# Allegro board LAY-28163.brd
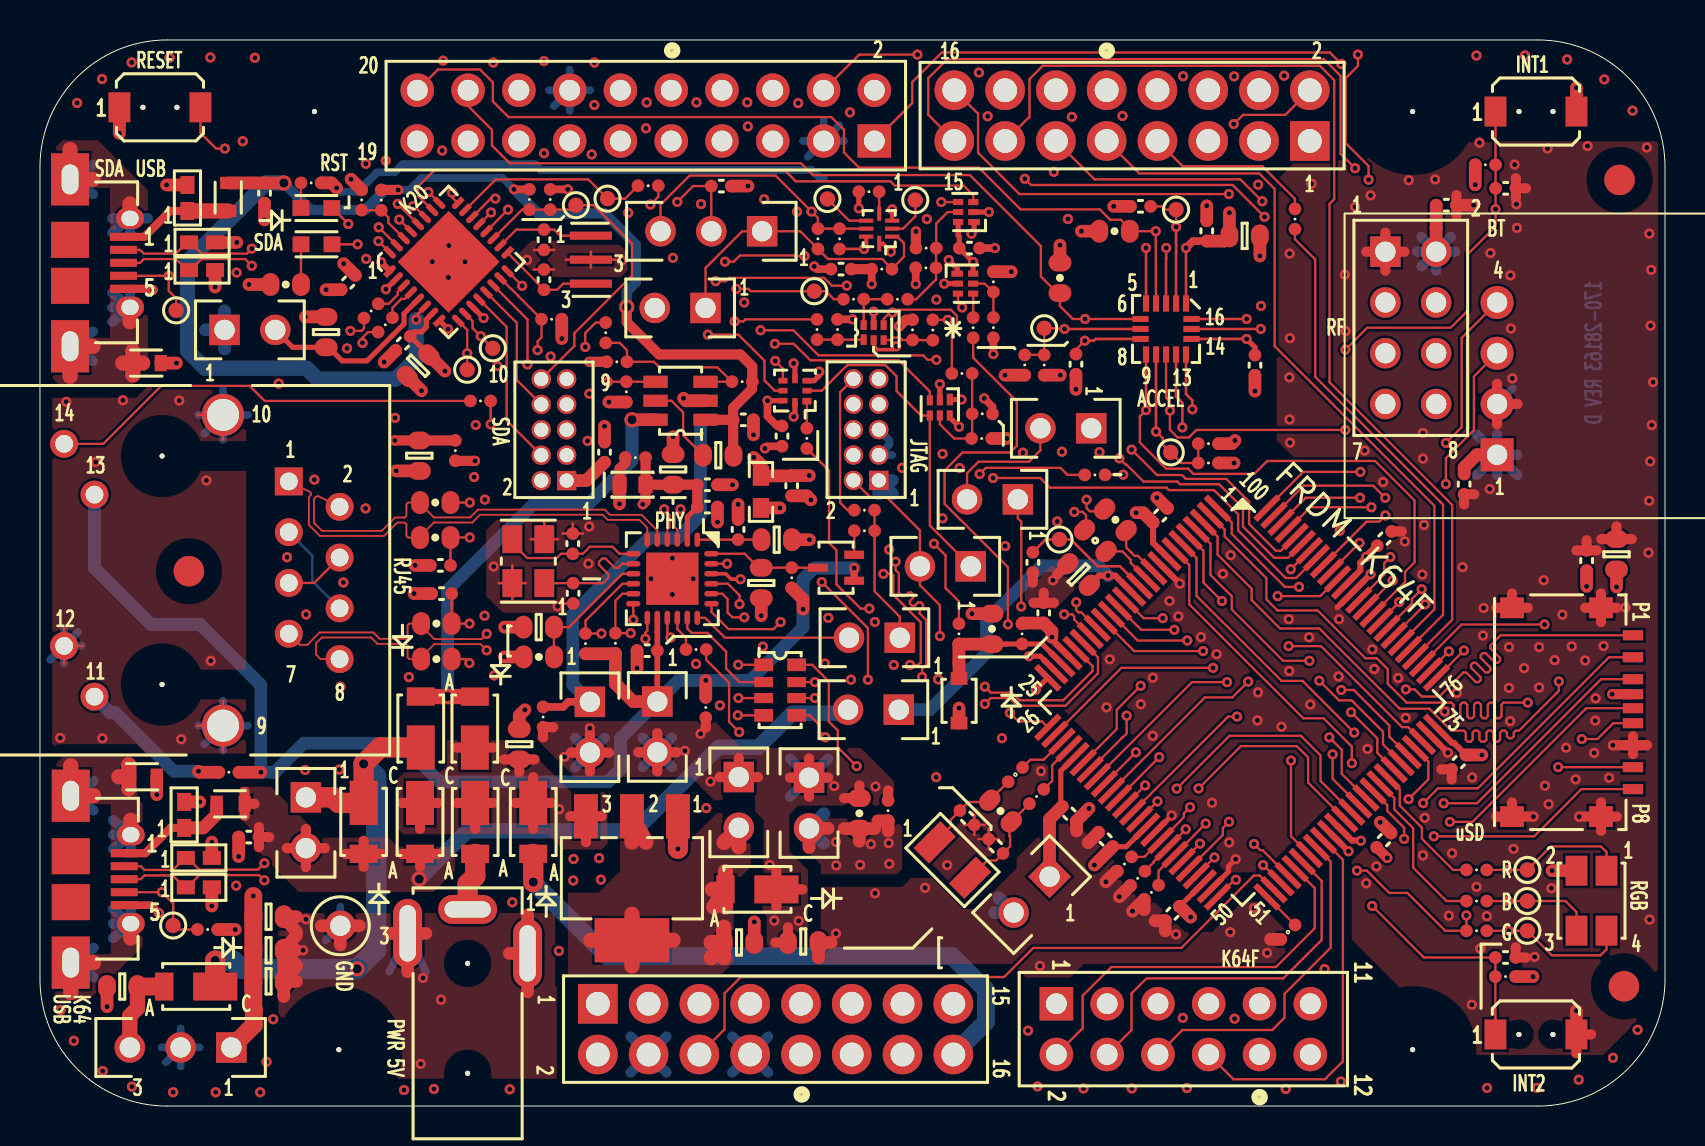
[diagram p0: board, top side]
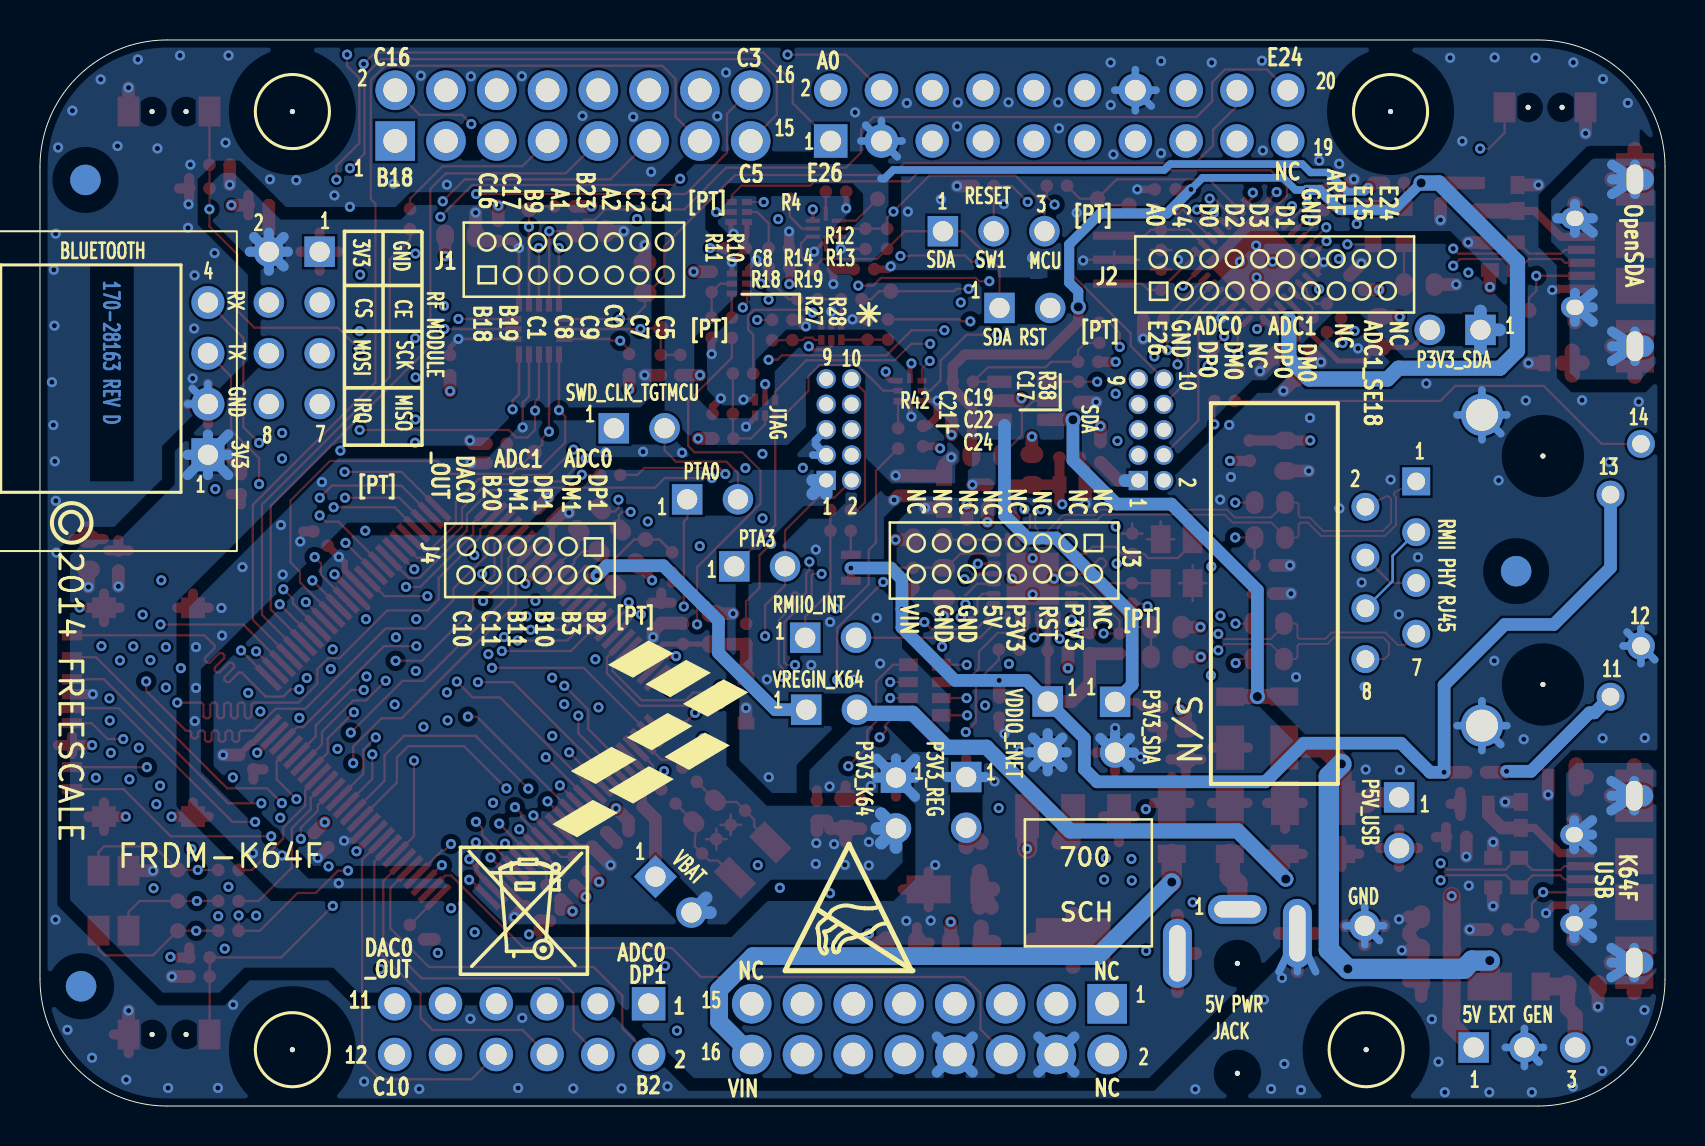
[diagram p1: board, bottom side, seen from below]

Outline 81.28 x 53.34 mm; copper layers: TOP, GND, INT_1, BOTTOM. Coordinates in mm from the lower left corner of the outline.
Outline path: 0,46.99 arc(1.86,51.48) 6.35,53.34 74.93,53.34 arc(79.42,51.48) 81.28,46.99 81.28,6.35 arc(79.42,1.86) 74.93,0 6.35,0 arc(1.86,1.86) 0,6.35 0,46.99

## Design rules (mm)
net group ADC0: nets ADC0_DM0/ADC1_DM3 ADC0_DP0/AD1_DP3
net group ADC1: nets ADC1_DM0/ADC0_DM3 ADC1_DP0/ADC0_DP3
net group ENET1_RX: nets ENET1_RX+ ENET1_RX-
net group ENET1_TX: nets ENET1_TX+ ENET1_TX-
net group LEDRGB_BLUE: nets LEDRGB_BLUE PTB21
net group LEDRGB_GREEN: nets LEDRGB_GREEN PTE26
net group LEDRGB_RED: nets LEDRGB_RED PTB22
net group PTB16: nets PTB16 UART1_RX_TGTMCU_BUF
net group PTB17: nets PTB17 UART1_TX_TGTMCU_BUF
net group RMII_RXCLK: nets RMII_RXCLK RXCLK
net group SDA_SWD_EN_B_R: nets SDA_SWD_EN_B SDA_SWD_EN_B_R
net group SDA_SWD_OE_B_R: nets SDA_SWD_OE_B SDA_SWD_OE_B_R
net group TRACE_SWO: nets PTA2 TRACE_SWO
net group USB_CONN_DN: nets K64_MICRO_USB_DN USB_CONN_DN
net group USB_CONN_DP: nets K64_MICRO_USB_DP USB_CONN_DP
net group USB_SI_CONN_D: nets SDA_USB_CONN_DN SDA_USB_CONN_DP
net group VTRG_EN: nets POWER_EN VTRG_EN
net group ANALOG: nets ADC0_DM1 ADC0_DP1 ADC1_DM1 ADC1_DP1 ADC1_SE18 DAC0_OUT PTB2 PTB3 PTB10 PTB11 PTC11
net group CLOCKS: nets PTB18 PTC3 PTC6 PTC8 PTD1 PTE0 RMII_XTALI RMII_XTALO SDA_EXTAL SWD_CLK_TGTMCU SWD_CLK_TGTMCU_BUF XTAL_K64_MAIN
net group CPU_PER_1_RST_B: nets CPU_PER_1_RST_B PHY_RST_B RST_TGTMCU_B SDA_RST_LED SDA_RST_TGTMCU_J_B V_TGTMCU
net group EXTAL32_RTC: nets EXTAL32_RTC EXTAL_32.768KHZ XTAL32_RTC XTAL_32.768KHZ
net group POW: nets VREFH
net group POWER_SPACE: nets P5-9V_VIN P5V0_SDA_USB_CONN_VBUS P5V0_USB_CONN_VBUS P5V_SDA P5V_USB SDA_VOUT33 VBAT VDDA_ENET VOUT33_K64 VREGIN_K64
net group SDA_SWD_EN_R: nets SDA_SPI0_RST_B SDA_SWD_EN SDA_SWD_EN_R
net group SDA_SWD_OE_R: nets SDA_SPI0_CS SDA_SWD_OE SDA_SWD_OE_R
net group SDA_USB_CONN_DP: nets SDA_USB_DP
net group USB_SI_D: nets SDA_USB_DN
nets with their own width: min track width 0.127; nets GND

## Placement (name value [footprint] x y rotation side)
C1  1.0UF  [CC0402_25]  11.23 45.68 270 top
C2  1000pF  [CC0402_25]  34.08 46.03 0 top
C3  0.1UF  [CC0402_25]  55.04 45.02 180 top
C4  0.1UF  [CC0402_25]  58.36 43.79 90 top
C5  4.7uF  [CC0603_OV]  60.25 43.54 0 top
C6  22PF  [CC0402_25]  25.21 43.34 270 top
C7  0.1UF  [CC0402_25]  46.49 42.93 0 top
C8  0.1UF  [CC0402_25]  40.07 41.87 180 top
C9  22PF  [CC0402_25]  25.21 41.35 90 top
C10  0.1UF  [CC0402_25]  15.42 41.2 225 top
C11  2.2UF  [CC0603_OV]  14.31 38.72 90 top
C12  1.0UF  [CC0402_25]  18.16 38.16 225 top
C13  0.1UF  [CC0402_25]  51.82 37.12 270 top
C14  0.1UF  [CC0402_25]  60.77 37.07 270 top
C15  10uF  [CC0603_OV]  18.91 37.04 225 top
C16  0.1UF  [CC0402_25]  35.18 34.33 0 top
C17  4.7uF  [CC0402_25]  37.11 33.52 270 top
C18  0.1UF  [CC0402_25]  28.24 32.72 90 top
C19  18PF  [CC0603_OV]  33.93 32.56 180 top
C20  10UF  [CC0603_OV]  18.97 32.54 270 top
C21  4.7UF  [CC0603_OV]  31.67 31.85 90 top
C22  0.1UF  [CC0402_25]  33.38 31.08 0 top
C23  4.7uF  [CC0402_25]  37.6 31.04 270 top
C24  0.1UF  [CC0402_25]  33.38 29.97 0 top
C25  0.1UF  [CC0402_25]  56.03 29.55 45 top
C26  0.1UF  [CC0402_25]  34.92 28.85 90 top
C27  0.1UF  [CC0402_25]  67.25 28.39 45 top
C28  1.0 UF  [CC0603_OV]  36.85 28.34 0 top
C29  24PF  [CC0402_25]  26.65 28.14 90 top
C30  10uF  [CC0603_OV]  78.85 27.61 90 top
C31  0.1UF  [CC0402_25]  20.03 27.05 180 top
C32  0.1UF  [CC0402_25]  77.36 27.29 90 top
C33  10uF  [CC0603_OV]  51.95 26.59 135 top
C34  10UF  [CC0603_OV]  36.08 26.17 270 top
C35  24PF  [CC0402_25]  26.66 25.65 270 top
C36  0.1UF  [CC0402_25]  20.09 25.64 180 top
C37  0.1UF  [CC0402_25]  50.2 24.67 90 top
C38  100PF  [CC0603_OV]  24.95 23.96 180 top
C39  0.1UF  [CC0402_25]  30.37 22.78 180 top
C40  2.2UF  [CC0603_OV]  38.18 8.18 0 top
C41  10uF  [CC0603_OV]  23.97 18.11 90 top
C42  0.1UF  [CC0402_25]  70.97 17.21 225 top
C43  0.1UF  [CC0402_25]  51.49 14.63 315 top
C44  12PF  [CC0402_25]  46.37 14.43 315 top
C45  1.0UF  [CC0402_25]  10.44 13.46 180 top
C46  0.1UF  [CC0402_25]  53.3 13.33 135 top
C47  0.1UF  [CC0402_25]  67.22 13.3 45 top
C48  12PF  [CC0402_25]  47.81 13 135 top
C49  0.1UF  [CC0402_25]  56.64 9.63 225 top
C50  10uF  [CC0603_OV]  11.43 9.47 0 top
C51  10uF  [CC0603_OV]  34.97 8.18 0 top
C52  10uF  [CC0603_OV]  11.43 7.79 0 top
C53  10uF  [CC0603_OV]  4.11 5.98 180 top
C54  10uF  [CC0603_OV]  11.43 6.24 0 top
C55  0.1UF  [CC0402_25]  73.3 7.43 0 top
C56  0.1UF  [CC0402_25]  73.31 45.92 0 top
C57  0.1UF  [CC0402_25]  70.34 45.07 0 top
C58  0.1UF  [CC0402_25]  71.23 31.12 270 top
C59  2.2uF  [CC0402_25]  49.66 27.2 270 top
D1  RED  [LED_0603]  13.82 44.93 0 top
D2  LED GREEN  [LED_0603]  13.83 43.12 0 top
D3  BAT54AWT1G  [SOT323_3P]  39.82 26.93 90 top
D4  3.0V  [SOD-323-A]  45.97 20.28 270 top
D5  DFLS130L-7  [POWERDI-123_3MMX2MM]  19.04 18.79 90 top
D6  DFLS130L-7  [POWERDI-123_3MMX2MM]  21.75 18.78 90 top
D7  DFLS130L-7  [POWERDI-123_3MMX2MM]  16.19 14.32 270 top
D8  DFLS130L-7  [POWERDI-123_3MMX2MM]  19.01 14.32 270 top
D9  DFLS130L-7  [POWERDI-123_3MMX2MM]  21.77 14.32 270 top
D10  DFLS130L-7  [POWERDI-123_3MMX2MM]  24.67 14.32 270 top
D11  DFLS130L-7  [POWERDI-123_3MMX2MM]  35.98 10.84 180 top
D12  CLV1A-FKB-CJ1M1F1BB7R4S3  [LED4_3P4X3MM_SMT]  77.6 10.27 0 top
D13  DFLS130L-7  [POWERDI-123_3MMX2MM]  7.91 5.98 180 top
J1  SSW-108-01-T-D  [CON_SKT2X8_TH]  63.51 48.29 0 top
J2  CON_2X10  [CON2X10_2P54_TH]  41.73 48.29 270 top
J3  SSW-108-01-T-D  [CON_SKT2X8_TH]  27.9 5.12 180 top
J4  SKT_2X6  [CON_SKT2X6_TH]  50.84 5.12 180 top
J5  HDR 1X2 TH  [SH_HDR102_BOTTOM]  33.29 39.93 270 top
J6  HDR_2X4  [HDR2X4]  67.29 42.75 0 top
J7  HDR 1X2 TH  [SH_HDR102_BOTTOM]  9.23 38.83 90 top
J8  HDR 1X2 TH  [SH_HDR102_BOTTOM]  52.58 33.91 270 top
J9  HDR 2X5  [HDR_5X2_FTSH_TH_NSP]  41.96 31.3 180 top
J10  HDR 2X5  [HDR_5X2_FTSH_TH_NSP]  26.34 31.3 180 top
J11  HDR 1X2 TH  [SH_HDR102_BOTTOM]  48.91 30.36 270 top
J12  HDR 1X2 TH  [SH_HDR102_BOTTOM]  46.55 27 270 top
J13  RB1-125BAG1A  [CON_RJ45_8P_2P54_TH_RA]  12.45 31.25 90 top
J14  HDR 1X2  [HDR102]  43 23.43 270 top
J15  CON microSD  [CON8_SDCARD_PUSH_SM]  75.75 19.71 90 top
J16  HDR 1X2 TH  [SH_HDR102_BOTTOM]  42.96 19.83 270 top
J17  HDR 1X2  [HDR102]  30.88 20.24 0 top
J18  HDR 1X2  [HDR102]  27.51 20.22 0 top
J19  HDR 1X2 TH  [SH_HDR102_BOTTOM]  34.95 16.46 0 top
J20  HDR 1X2  [HDR102]  38.47 16.43 0 top
J21  HDR 1X2  [HDR102]  13.3 15.44 0 top
J22  MICRO USB AB 5  [CON5_MICROUSB]  1.54 11.35 270 top
J23  HDR 1X2 TH  [SH_HDR102_BOTTOM]  50.5 11.48 315 top
J24  CON PWR 3  [CON_JACK_PJ1_022_TH-RA]  21.39 9.84 90 top
J25  HDR_1X3  [HDR103]  36.12 43.77 270 top
J26  MICRO USB AB 5  [CON5_MICROUSB]  1.5 42.19 270 top
J27  HDR_1X3  [HDR103]  9.57 2.93 270 top
J199  CON_1X4  [CON1X4_100_TH_RA]  72.88 32.59 90 bottom
L1  330 OHM  [IND_1608]  9.42 45.49 90 top
L2  330 OHM  [IND_1608]  5.34 37.17 0 top
L3  120OHM  [0603_CC]  29.64 31.09 0 top
L4  330 OHM  [IND_1608]  5.14 16.47 0 top
L5  330 OHM  [IND_1608]  9.54 15.12 0 top
NOREF  -  []  35.45 17.74 90 top
NOREF#2  -  []  12.45 31.25 0 top
NOREF#3  -  []  -16.59 -36.7 0 top
NOREF#4  -  []  24.14 10.61 0 top
NOREF#5  -  []  14.99 29.98 90 top
NOREF#6  -  []  55.32 37.6 90 top
NOREF#7  -  []  17.32 17.74 0 top
NOREF#8  -  [unnamed#2]  79.23 5.99 0 top
NOREF#9  -  []  9.16 19.03 90 top
NOREF#10  -  []  79.64 51.25 0 top
NOREF#11  -  []  0 41.47 0 top
NOREF#12  -  []  42.63 43.9 270 top
NOREF#13  -  []  6.11 21.09 90 top
NOREF#14  -  []  70.32 0.01 90 top
NOREF#15  -  []  55.32 37.6 0 top
NOREF#16  -  []  12.45 31.25 90 top
NOREF#17  -  []  55.32 37.6 0 top
NOREF#18  -  []  55.05 38.38 0 top
NOREF#19  -  []  55.05 39.38 90 top
NOREF#20  -  []  12.45 23.63 0 top
NOREF#21  -  []  54.82 40.38 0 top
NOREF#22  -  [unnamed#2]  7.45 26.76 0 top
NOREF#23  -  []  13.74 2.72 0 top
NOREF#24  -  []  1.21 23.02 0 top
NOREF#25  -  []  6.11 32.52 90 top
NOREF#26  -  []  2.73 30.59 90 top
NOREF#27  -  []  -408 -339.88 0 top
NOREF#28  -  []  1.21 23.02 90 top
NOREF#29  -  []  192.91 64.47 0 top
NOREF#30  -  []  65.9 33.73 0 top
NOREF#31  -  []  -115.86 -175.27 0 top
NOREF#32  -  []  12.45 31.25 90 top
NOREF#33  -  []  42.18 43.28 90 top
NOREF#34  -  []  55.32 37.6 0 top
NOREF#35  -  []  65.9 33.73 90 top
NOREF#36  -  []  57.81 43.38 0 top
NOREF#37  -  []  13.74 2.72 0 top
NOREF#38  -  []  42.63 44.3 90 top
NOREF#39  -  []  -381.97 185.27 0 top
NOREF#40  -  []  12.45 31.25 90 top
NOREF#41  -  []  12.88 1.39 0 top
NOREF#42  -  []  55.05 38.88 90 top
NOREF#43  -  [unnamed#2]  79 46.34 0 top
NOREF#44  -  []  -239.61 -215.75 0 top
NOREF#45  -  []  79.75 41.86 180 top
NOREF#46  -  []  42.6 44.62 270 top
NOREF#47  -  []  57.82 40.38 90 top
NOREF#48  -  [unnamed#2]  79.23 5.99 180 bottom
NOREF#49  -  []  74.41 -23.78 0 bottom
NOREF#50  -  [unnamed#2]  7.45 26.76 180 bottom
NOREF#51  -  [unnamed#2]  79.01 46.34 180 bottom
NOREF#52  -  []  91.82 39.52 180 bottom
NOREF#53  -  []  54.61 5.51 180 bottom
NOREF#54  -  []  70.12 -27.59 180 bottom
NOREF#55  -  []  120.45 -123.7 180 bottom
NOREF#56  -  []  51.23 -43.91 270 bottom
NOREF#57  -  [unnamed#3]  13.73 49.76 180 bottom
NOREF#58  -  []  54.66 12.88 180 bottom
NOREF#59  -  [unnamed#3]  68.66 49.76 180 bottom
NOREF#60  -  []  59.2 8.4 180 bottom
NOREF#61  -  []  55.65 13.45 180 bottom
NOREF#62  -  [unnamed#3]  14.95 2.82 180 bottom
NOREF#63  -  []  20.69 32.09 270 bottom
NOREF#64  -  [unnamed#3]  68.66 2.82 180 bottom
R1  10.0K  [RC0402_25]  72.3 47.09 0 top
R2  100  [RC0402_25]  13.56 46.19 180 top
R3  0  [RC0402_25]  30.42 46.05 180 top
R4  4.7K  [RC0402_25]  41.46 45.75 180 top
R5  4.7K  [RC0402_25]  24.48 45.36 270 top
R6  10.0K  [RC0402_25]  25.52 45.36 90 top
R7  10.0K  [RC0402_25]  16.09 45.34 90 top
R8  4.7K  [RC0402_25]  17.07 45.33 270 top
R9  4.7K  [RC0603_OV]  53.75 43.77 0 top
R10  0  [RC0402_25]  38.91 43.39 90 top
R11  180K  [RC0402_25]  39.99 43.39 90 top
R12  4.7K  [RC0402_25]  44.32 42.93 0 top
R13  10.0K  [RC0402_25]  44.31 41.94 180 top
R14  10.0K  [RC0402_25]  42.11 41.87 0 top
R15  4.7K  [RC0603_OV]  51.02 41.44 270 top
R16  10.0K  [RC0402_25]  47.69 41.24 90 top
R17  220  [RC0603_OV]  12.29 41.1 0 top
R18  0  [RC0402_25]  40.69 40.37 180 top
R19  0  [RC0402_25]  42.89 40.37 0 top
R20  33  [RC0402_25]  16.56 39.78 45 top
R21  10.0K  [RC0402_25]  25.59 39.37 180 top
R22  33  [RC0402_25]  17.27 39.09 45 top
R23  4.7K  [RC0402_25]  47.69 38.95 90 top
R24  0  [RC0402_25]  46.68 38.94 270 top
R25  0  [RC0402_25]  38.86 38.85 90 top
R26  10.0K  [RC0402_25]  39.89 38.85 270 top
R27  10.0K  [RC0402_25]  43.64 38.83 90 top
R28  0  [RC0402_25]  44.66 38.83 90 top
R29  1.0K  [RC0402_25]  28.3 38.69 270 top
R30  15K  [RC0402_25]  28.85 37.24 180 top
R31  10.0K  [RC0402_25]  49.25 37.08 270 top
R32  10.0K  [RC0402_25]  50.23 37.08 90 top
R33  0  [RC0402_25]  46.12 36.65 0 top
R34  10.0K  [RC0402_25]  35.12 36.24 180 top
R35  10.0K  [RC0402_25]  29.33 35.73 90 top
R36  100  [RC0402_25]  22.03 35.28 180 top
R37  4.7K  [RC0402_25]  47.13 34.63 180 top
R38  0  [RC0402_25]  38.36 33.41 270 top
R39  10.0K  [RC0402_25]  47.1 33.4 0 top
R40  10.0K  [RC0402_25]  58.44 33.14 180 top
R41  0  [RC0402_25]  20.77 32.79 90 top
R42  0  [RC0402_25]  29.78 32.44 0 top
R43  10.0K  [RC0402_25]  58.44 32.17 0 top
R44  49.9  [RC0603_OV]  19.77 30.2 0 top
R45  0  [RC0402_25]  41.24 29.81 0 top
R46  33  [RC0603_OV]  53.79 29.33 315 top
R47  0  [RC0402_25]  41.24 28.78 180 top
R48  49.9  [RC0603_OV]  19.77 28.44 0 top
R49  33  [RC0603_OV]  52.78 28.29 315 top
R50  10.0K  [RC0402_25]  37.6 26.43 90 top
R51  49.9  [RC0603_OV]  19.83 24.14 0 top
R52  1K  [RC0603_OV]  47.61 23.87 270 top
R53  0  [RC0402_25]  45.96 23.62 90 top
R54  0  [RC0402_25]  49.12 23.62 270 top
R55  1.5K  [RC0402_25]  28.78 23.15 90 top
R56  1.5K  [RC0402_25]  27.28 23.14 90 top
R57  33  [RC0402_25]  32.82 22.84 180 top
R58  6.49K  [RC0603_OV]  24.95 22.47 180 top
R59  49.9  [RC0603_OV]  19.83 22.36 0 top
R60  0  [RC0402_25]  33.3 19.94 90 top
R61  0  [RC0402_25]  25.16 19.46 90 top
R62  0  [RC0402_25]  48.79 16.58 225 top
R63  0  [RC0402_25]  49.85 15.49 225 top
R64  0  [RC0402_25]  42.42 14.78 270 top
R65  1.0M  [RC0603_OV]  48.04 14.76 135 top
R66  10  [RC0603_OV]  40.98 14.64 270 top
R67  10.0K  [RC0402_25]  54.24 12.11 225 top
R68  430  [RC0402_25]  71.85 11.81 0 top
R69  10.0K  [RC0402_25]  54.9 11.39 225 top
R70  10.0K  [RC0402_25]  55.59 10.69 225 top
R71  270  [RC0402_25]  71.85 10.26 180 top
R72  0  [RC0402_25]  8.39 8.83 0 top
R73  270  [RC0402_25]  71.85 8.77 180 top
R74  0  [RC0402_25]  62.42 8.7 225 top
R75  10.0K  [RC0402_25]  73.3 6.48 180 top
R76  100  [RC0402_25]  9.45 16.7 180 top
R79  33  [RC0402_25]  62.77 44.38 270 top
R80  0  [RC0402_25]  52.76 31.58 0 top
RN1  33  [RNET_38V_0603]  37.02 20.81 0 top
SH1  0  [SH0603]  36.06 30.73 270 top
SW1  SW2_STM151XX  [SW2_4X3MM_SM]  6 49.97 0 top
SW2  SW2_STM151XX  [SW2_4X3MM_SM]  74.83 49.76 0 top
SW3  SW2_STM151XX  [SW2_4X3MM_SM]  74.82 3.58 0 top
TP1  -  [TPAD_030]  28.39 45.4 0 top
TP2  -  [TPAD_030]  39.39 45.38 270 top
TP3  -  [TPAD_030]  43.78 45.33 270 top
TP4  -  [TPAD_030]  56.82 44.85 270 top
TP5  -  [TPAD_030]  26.81 45.07 0 top
TP6  -  [TPAD_030]  38.73 40.77 0 top
TP7  -  [TPAD_030]  6.81 39.81 0 top
TP8  -  [TPAD_030]  50.23 38.92 270 top
TP9  -  [TPAD_030]  22.65 37.91 0 top
TP10  -  [TPAD_030]  21.37 36.84 0 top
TP11  -  [TPAD_030]  56.56 32.71 270 top
TP12  -  [TPAD_030]  50.99 28.35 180 top
TP13  -  [TPAD_030]  74.39 11.81 270 top
TP14  -  [TPAD_030]  74.39 10.26 270 top
TP15  -  [TPAD_030]  6.66 9.03 0 top
TP16  TEST POINT WHITE  [TEST_LOOP]  15.02 9.02 0 top
TP17  -  [TPAD_030]  74.39 8.77 270 top
U1  0402ESDA-MLP  [0402_MLP]  7.38 45.44 90 top
U2  74LVCH1T45  [UDFN6_1X1P5MM]  46.3 44.73 180 top
U3  NTSX2102GU8H  [XQFN8_1P45X1P25MM]  41.98 43.9 90 top
U4  0402ESDA-MLP  [0402_MLP]  8.11 43.21 0 top
U5  PK20DX128VFM5  [QFN32_S142EP]  20.44 42.24 45 top
U6  0402ESDA-MLP  [0402_MLP]  8.11 41.83 0 top
U7  74LVCH1T45  [UDFN6_1X1P5MM]  46.29 41.15 0 top
U8  FXOS8700CQ  [QFN5X3_0P5_3X3]  56.32 38.88 270 top
U9  NLX2G14  [ULLGA6_1P45X1_0P5MM]  41.7 38.7 90 top
U10  74LVC2T45GM,125  [QFN8_1P6X1P6MM]  37.76 35.79 180 top
U11  MIC2005-0.8YM6  [SOT23-6_A]  32.04 35.29 180 top
U12  74LVCH1T45  [UDFN6_1X1P5MM]  45.01 34.93 270 top
U13  KSZ8081RNACA  [QFN24_4X4MM_SLUG]  31.63 26.38 180 top
U14  MK64FN1M0VLL12  [LQFP100_0P5_14X14]  60.13 20.19 315 top
U15  0402ESDA-MLP  [0402_MLP]  7.21 14.57 90 top
U16  0402ESDA-MLP  [0402_MLP]  7.95 12.41 0 top
U17  NCP1117ST33T3G  [SOT223]  29.61 11.4 180 top
U18  0402ESDA-MLP  [0402_MLP]  7.95 10.94 0 top
Y1  8.00MHZ  [XTAL3_3P35X1P45_SM]  27.55 42.35 90 top
Y2  25MHZ  [XTAL4_3P4X2P7]  24.42 27.26 90 top
Y3  32.768KHZ  [XTAL2-3P2X1P5-SM]  45.64 12.31 315 top

## Library data of the parts
C1 C12 C45 = CAP_NP: signal model: DEFAULT_CAPACITOR_1e+06pF_2_1
C2 C44 C48 C59 = CAP_NP
C3 C4 C13 C14 C32 C55-C58 = CAP_NP: signal model: DEFAULT_CAPACITOR_100000pF_2_1
C5 = CAP_NP: signal model: DEFAULT_CAPACITOR_4.7e+06pF_2_1
C6 C9 = CAP_NP: signal model: DEFAULT_CAPACITOR_22.000000pF_2_1
C7 C8 C10 C16 C18 C25 C27 C37 C42 C46 C47 C49 = CAP_NP: tolerance: 10%; signal model: DEFAULT_CAPACITOR_100000pF_2_1
C11 C40 = CAP_NP: signal model: DEFAULT_CAPACITOR_2.2e+06pF_2_1
C15 = CAP_NP: tolerance: 10%; signal model: DEFAULT_CAPACITOR_1e+07pF_2_1
C17 C23 = CAP_NP: tolerance: 10%; signal model: DEFAULT_CAPACITOR_4.7e+06pF_2_1
C19 = CAP_NP: tolerance: 5%; signal model: DEFAULT_CAPACITOR_18.000000pF_2_1
C20 C30 C34 C41 C50-C54 = CAP_NP: signal model: DEFAULT_CAPACITOR_1e+07pF_2_1
C21 = CAP_NP: signal model: DEFAULT_CAPACITOR_4.7e+06pF_2_1; room: RMII_PHY
C22 C24 C26 = CAP_NP: tolerance: 10%; signal model: DEFAULT_CAPACITOR_100000pF_2_1; room: RMII_PHY
C28 = CAP_NP: signal model: DEFAULT_CAPACITOR_1e+06pF_2_1; room: RMII_PHY
C29 C35 = CAP_NP: signal model: DEFAULT_CAPACITOR_24.000000pF_2_1
C31 C36 C39 = CAP_NP: signal model: DEFAULT_CAPACITOR_100000pF_2_1; room: RMII_PHY
C33 = CAP_NP: signal model: DEFAULT_CAPACITOR_1e+07pF_1_2
C38 = CAP_NP: signal model: DEFAULT_CAPACITOR_100.000000pF_2_1
C43 = CAP_NP: tolerance: 10%; signal model: DEFAULT_CAPACITOR_100000pF_1_2
D1 D2 = LED
D3 = DUALDIODE_CA_SOT23
D4 = ZDIODE
D5-D11 D13 = DIODE_SCHTKY
D12 = CLV1A_LED_4P
J1 J3 = HDR_2X8_M
J2 = CONN_HDR_10X2
J4 = CONN_HDR_6X2
J5 J7 J8 J11 J12 J14 J16-J21 J23 = CONN_HDR_2X1
J6 = CONN_HDR_4X2
J9 J10 = CONN_HDR_5X2
J13 = RJ45_RB1_125BAG1A
J15 = CON8_SDCARD_SW
J22 J26 = USB_MINI_AB_RECEPTACLE
J24 = DC POWER JACK
J25 J27 = CONN_HDR_3X1
J199 = CONN_HDR_4X1
L1 L2 L4 L5 = BEAD
L3 = BEAD_0: room: RMII_PHY
R1 R34 R35 R75 = RES: tolerance: 1%; signal model: DEFAULT_RESISTOR_10000OHM_2_1
R2 = RES: tolerance: 1%; signal model: DEFAULT_RESISTOR_100.000000OHM_2_1
R3 R18 R19 R25 R28 R33 R42 R45 R47 R53 R54 R60-R64 R72 R80 = RES: signal model: DEFAULT_RESISTOR_0.001OHM_2_1
R4 R5 R8 R12 R23 R37 = RES: tolerance: 1%; signal model: DEFAULT_RESISTOR_4700OHM_2_1
R6 R7 R21 R31 R32 R40 R43 = RES: signal model: DEFAULT_RESISTOR_10000OHM_2_1
R9 R15 = RES: signal model: DEFAULT_RESISTOR_4700OHM_2_1
R10 R24 R38 = RES: tolerance: 5%; signal model: DEFAULT_RESISTOR_0.001OHM_2_1
R11 = RES: signal model: DEFAULT_RESISTOR_180000OHM_2_1
R13 R14 R16 R26 R27 R39 = RES: tolerance: 5%; signal model: DEFAULT_RESISTOR_10000OHM_2_1
R17 = RES: signal model: DEFAULT_RESISTOR_220.000000OHM_2_1
R20 R22 R46 R49 R57 = RES: signal model: DEFAULT_RESISTOR_33.000000OHM_2_1
R29 = RES: tolerance: 1%; signal model: DEFAULT_RESISTOR_1000.000000OHM_2_1
R30 = RES: tolerance: 1%; signal model: DEFAULT_RESISTOR_15000OHM_2_1
R36 R76 R79 = RES
R41 = RES: tolerance: 5%; signal model: DEFAULT_RESISTOR_0.001OHM_2_1; room: RMII_PHY
R44 R48 R51 R59 = RES: tolerance: 1%; signal model: DEFAULT_RESISTOR_49.900000OHM_2_1; room: RMII_PHY
R50 R67 R69 R70 = RES: signal model: DEFAULT_RESISTOR_10000OHM_2_1; room: RMII_PHY
R52 = RES: signal model: DEFAULT_RESISTOR_1000.000000OHM_2_1
R55 R56 = RES: signal model: DEFAULT_RESISTOR_1500OHM_2_1; room: RMII_PHY
R58 = RES: signal model: DEFAULT_RESISTOR_6490OHM_2_1
R65 = RES: signal model: DEFAULT_RESISTOR_1OHM_1_2
R66 = RES: signal model: DEFAULT_RESISTOR_10.000000OHM_2_1
R68 = RES: signal model: DEFAULT_RESISTOR_680.000000OHM_2_1
R71 R73 = RES: signal model: DEFAULT_RESISTOR_330.000000OHM_2_1
R74 = RES: tolerance: 1%; signal model: DEFAULT_RESISTOR_0.001OHM_1_2
RN1 = Resistor_Array
SH1 = RES_SHORT-2: signal model: DEFAULT_RESISTOR_0.001OHM_2_1
SW1-SW3 = SW2_STM151XX
TP1-TP15 TP17 = TESTLOOP
TP16 = TestLoop
U1 U4 U6 U15 U16 U18 = DIODE_TVS_BIDIR
U2 U7 U12 = 74LVCH1T45_6P
U3 = NTSX2102GU8H_8P
U5 = PK20DX128V_QFN_32P
U8 = FXOS8700CQ_QFN_16P
U9 = NLU2GU04
U10 = 74LVC2T45GM_8P
U11 = MIC2005-0.8YM6
U13 = KSZ8081RNACA_QFN_24P
U14 = K64FN1M0VLL12_100P
U17 = LD1117AS18
Y1 = XTAL_CS
Y2 = CRYSTAL13
Y3 = XTAL

## Footprints (pads in the part's own frame, mm; a bottom-side part is the same pattern mirrored in y, then rotated)
0402_MLP
  rect 0.9x0.7 smd: 1(-0.65,0) 2(0.65,0)
0603_CC
  rect 0.711x0.838 smd: 1(-0.65,0) 2(0.65,0)
CC0402_25
  round 0.635 smd: 1(-0.508,0) 2(0.508,0)
CC0603_OV
  oval 0.889x1.143 smd: 1(-0.762,0) 2(0.762,0)
CON1X4_100_TH_RA
  rect 1.651x1.651 hole 1.016: 1(0,0)
  round 1.651 hole 1.016: 2(2.54,0) 3(5.08,0) 4(7.62,0)
CON2X10_2P54_TH
  rect 1.676x1.676 hole 1.041: 1(0,0)
  round 1.676 hole 1.041: 2(-2.54,0) 3(0,-2.54) 4(-2.54,-2.54) 5(0,-5.08) 6(-2.54,-5.08) 7(0,-7.62) 8(-2.54,-7.62) 9(0,-10.16) 10(-2.54,-10.16) 11(0,-12.7) 12(-2.54,-12.7) 13(0,-15.24) 14(-2.54,-15.24) 15(0,-17.78) 16(-2.54,-17.78) 17(0,-20.32) 18(-2.54,-20.32) 19(0,-22.86) 20(-2.54,-22.86)
CON5_MICROUSB
  rect 1.803x1.905 smd: (-1.15,0) (1.15,0)
  rect 0.406x1.346 smd: 1(-1.3,2.675) 2(-0.65,2.675) 3(0,2.675) 4(0.65,2.675) 5(1.3,2.675)
  oval 1.067x1.397 hole 0.762x0.864: S1(-2.225,3) S2(2.225,3)
  rect 2.616x1.905 hole 1.499x0.838: S3(-4.175,0) S4(4.175,0)
CON8_SDCARD_PUSH_SM
  rect 0.508x1.016 smd: G1(0.2,-3.925) P1(3.85,-3.925) P2(2.75,-3.925) P3(1.65,-3.925) P4(0.9,-3.925) P5(-0.55,-3.925) P6(-1.65,-3.925) P7(-2.75,-3.925) P8(-3.85,-3.925)
  rect 1.041x1.194 smd: S1(5.225,-2.325) S2(5.225,2.125) S3(-5.225,2.125) S4(-5.225,-2.325)
CON_JACK_PJ1_022_TH-RA
  round 0.254 hole 1.6 unplated: (-8.2,0) (-2.7,0)
  oval 1.448x2.946 hole 0.813x2.311: 1(0,0)
  oval 3.454x1.448 hole 2.819x0.813: 2(-2.2,-3) 3(-1.2,3)
CON_RJ45_8P_2P54_TH_RA
  round 0.254 hole 3.251 unplated: (-10.16,6.34) (1.27,6.34)
  rect 1.397x1.397 hole 0.889: 1(0,0)
  round 1.397 hole 0.889: 2(-1.27,-2.54) 3(-2.54,0) 4(-3.81,-2.54) 5(-5.08,0) 6(-6.35,-2.54) 7(-7.62,0) 8(-8.89,-2.54) 11(-10.77,9.72) 12(-8.23,11.24) 13(-0.66,9.72) 14(1.88,11.24)
  round 2.108 hole 1.6: 9(-12.22,3.29) 10(3.33,3.29)
CON_SKT2X6_TH
  rect 1.676x1.676 hole 1.041: 1(0,0)
  round 1.676 hole 1.041: 2(0,2.54) 3(-2.54,0) 4(-2.54,2.54) 5(-5.08,0) 6(-5.08,2.54) 7(-7.62,0) 8(-7.62,2.54) 9(-10.16,0) 10(-10.16,2.54) 11(-12.7,0) 12(-12.7,2.54)
CON_SKT2X8_TH
  rect 1.981x1.981 hole 1.194: 1(0,0)
  round 1.981 hole 1.194: 2(0,2.54) 3(-2.54,0) 4(-2.54,2.54) 5(-5.08,0) 6(-5.08,2.54) 7(-7.62,0) 8(-7.62,2.54) 9(-10.16,0) 10(-10.16,2.54) 11(-12.7,0) 12(-12.7,2.54) 13(-15.24,0) 14(-15.24,2.54) 15(-17.78,0) 16(-17.78,2.54)
HDR2X4
  rect 1.524x1.524 hole 1.016: 1(0,0)
  round 1.524 hole 1.016: 2(2.54,0) 3(0,-2.54) 4(2.54,-2.54) 5(0,-5.08) 6(2.54,-5.08) 7(0,-7.62) 8(2.54,-7.62)
HDR102
  rect 1.524x1.524 hole 1.016: 1(0,0)
  round 1.524 hole 1.016: 2(0,-2.54)
HDR103
  rect 1.524x1.524 hole 1.016: 1(0,0)
  round 1.524 hole 1.016: 2(0,-2.54) 3(0,-5.08)
HDR_5X2_FTSH_TH_NSP
  rect 0.965x0.965 hole 0.711: 1(0,0)
  round 0.965 hole 0.711: 2(1.27,0) 3(0,-1.27) 4(1.27,-1.27) 5(0,-2.54) 6(1.27,-2.54) 7(0,-3.81) 8(1.27,-3.81) 9(0,-5.08) 10(1.27,-5.08)
IND_1608
  rect 0.61x0.813 smd: 1(-0.7,0) 2(0.7,0)
LED4_3P4X3MM_SMT
  rect 1.092x1.499 smd: 1(0.75,1.5) 2(-0.75,1.5) 3(-0.75,-1.5) 4(0.75,-1.5)
LED_0603
  rect 0.838x0.787 smd: A(-0.775,0) C(0.775,0)
LQFP100_0P5_14X14
  rect 1.651x0.305 smd: 1(-7.75,6) 2(-7.75,5.5) 3(-7.75,5) 4(-7.75,4.5) 5(-7.75,4) 6(-7.75,3.5) 7(-7.75,3) 8(-7.75,2.5) 9(-7.75,2) 10(-7.75,1.5) 11(-7.75,1) 12(-7.75,0.5) 13(-7.75,0) 14(-7.75,-0.5) 15(-7.75,-1) 16(-7.75,-1.5) 17(-7.75,-2) 18(-7.75,-2.5) 19(-7.75,-3) 20(-7.75,-3.5) 21(-7.75,-4) 22(-7.75,-4.5) 23(-7.75,-5) 24(-7.75,-5.5) 25(-7.75,-6) 51(7.75,-6) 52(7.75,-5.5) 53(7.75,-5) 54(7.75,-4.5) 55(7.75,-4) 56(7.75,-3.5) 57(7.75,-3) 58(7.75,-2.5) 59(7.75,-2) 60(7.75,-1.5) 61(7.75,-1) 62(7.75,-0.5) 63(7.75,0) 64(7.75,0.5) 65(7.75,1) 66(7.75,1.5) 67(7.75,2) 68(7.75,2.5) 69(7.75,3) 70(7.75,3.5) 71(7.75,4) 72(7.75,4.5) 73(7.75,5) 74(7.75,5.5) 75(7.75,6)